# Altium PCB GSM_v2.PcbDoc (part 2 of 2)
Units mil, origin at the board's own origin, x right, y up, seen from the top; angles counter-clockwise.
Board outline 2789.37 x 2768.7 mil, 4 copper layers (Top Layer, Layer 1, Layer 2, Bottom Layer), stack 61.771 mil thick; 227 components, 127 nets, 668 pads, 296 vias.
Unrouted connection lines stored in the file: 1.
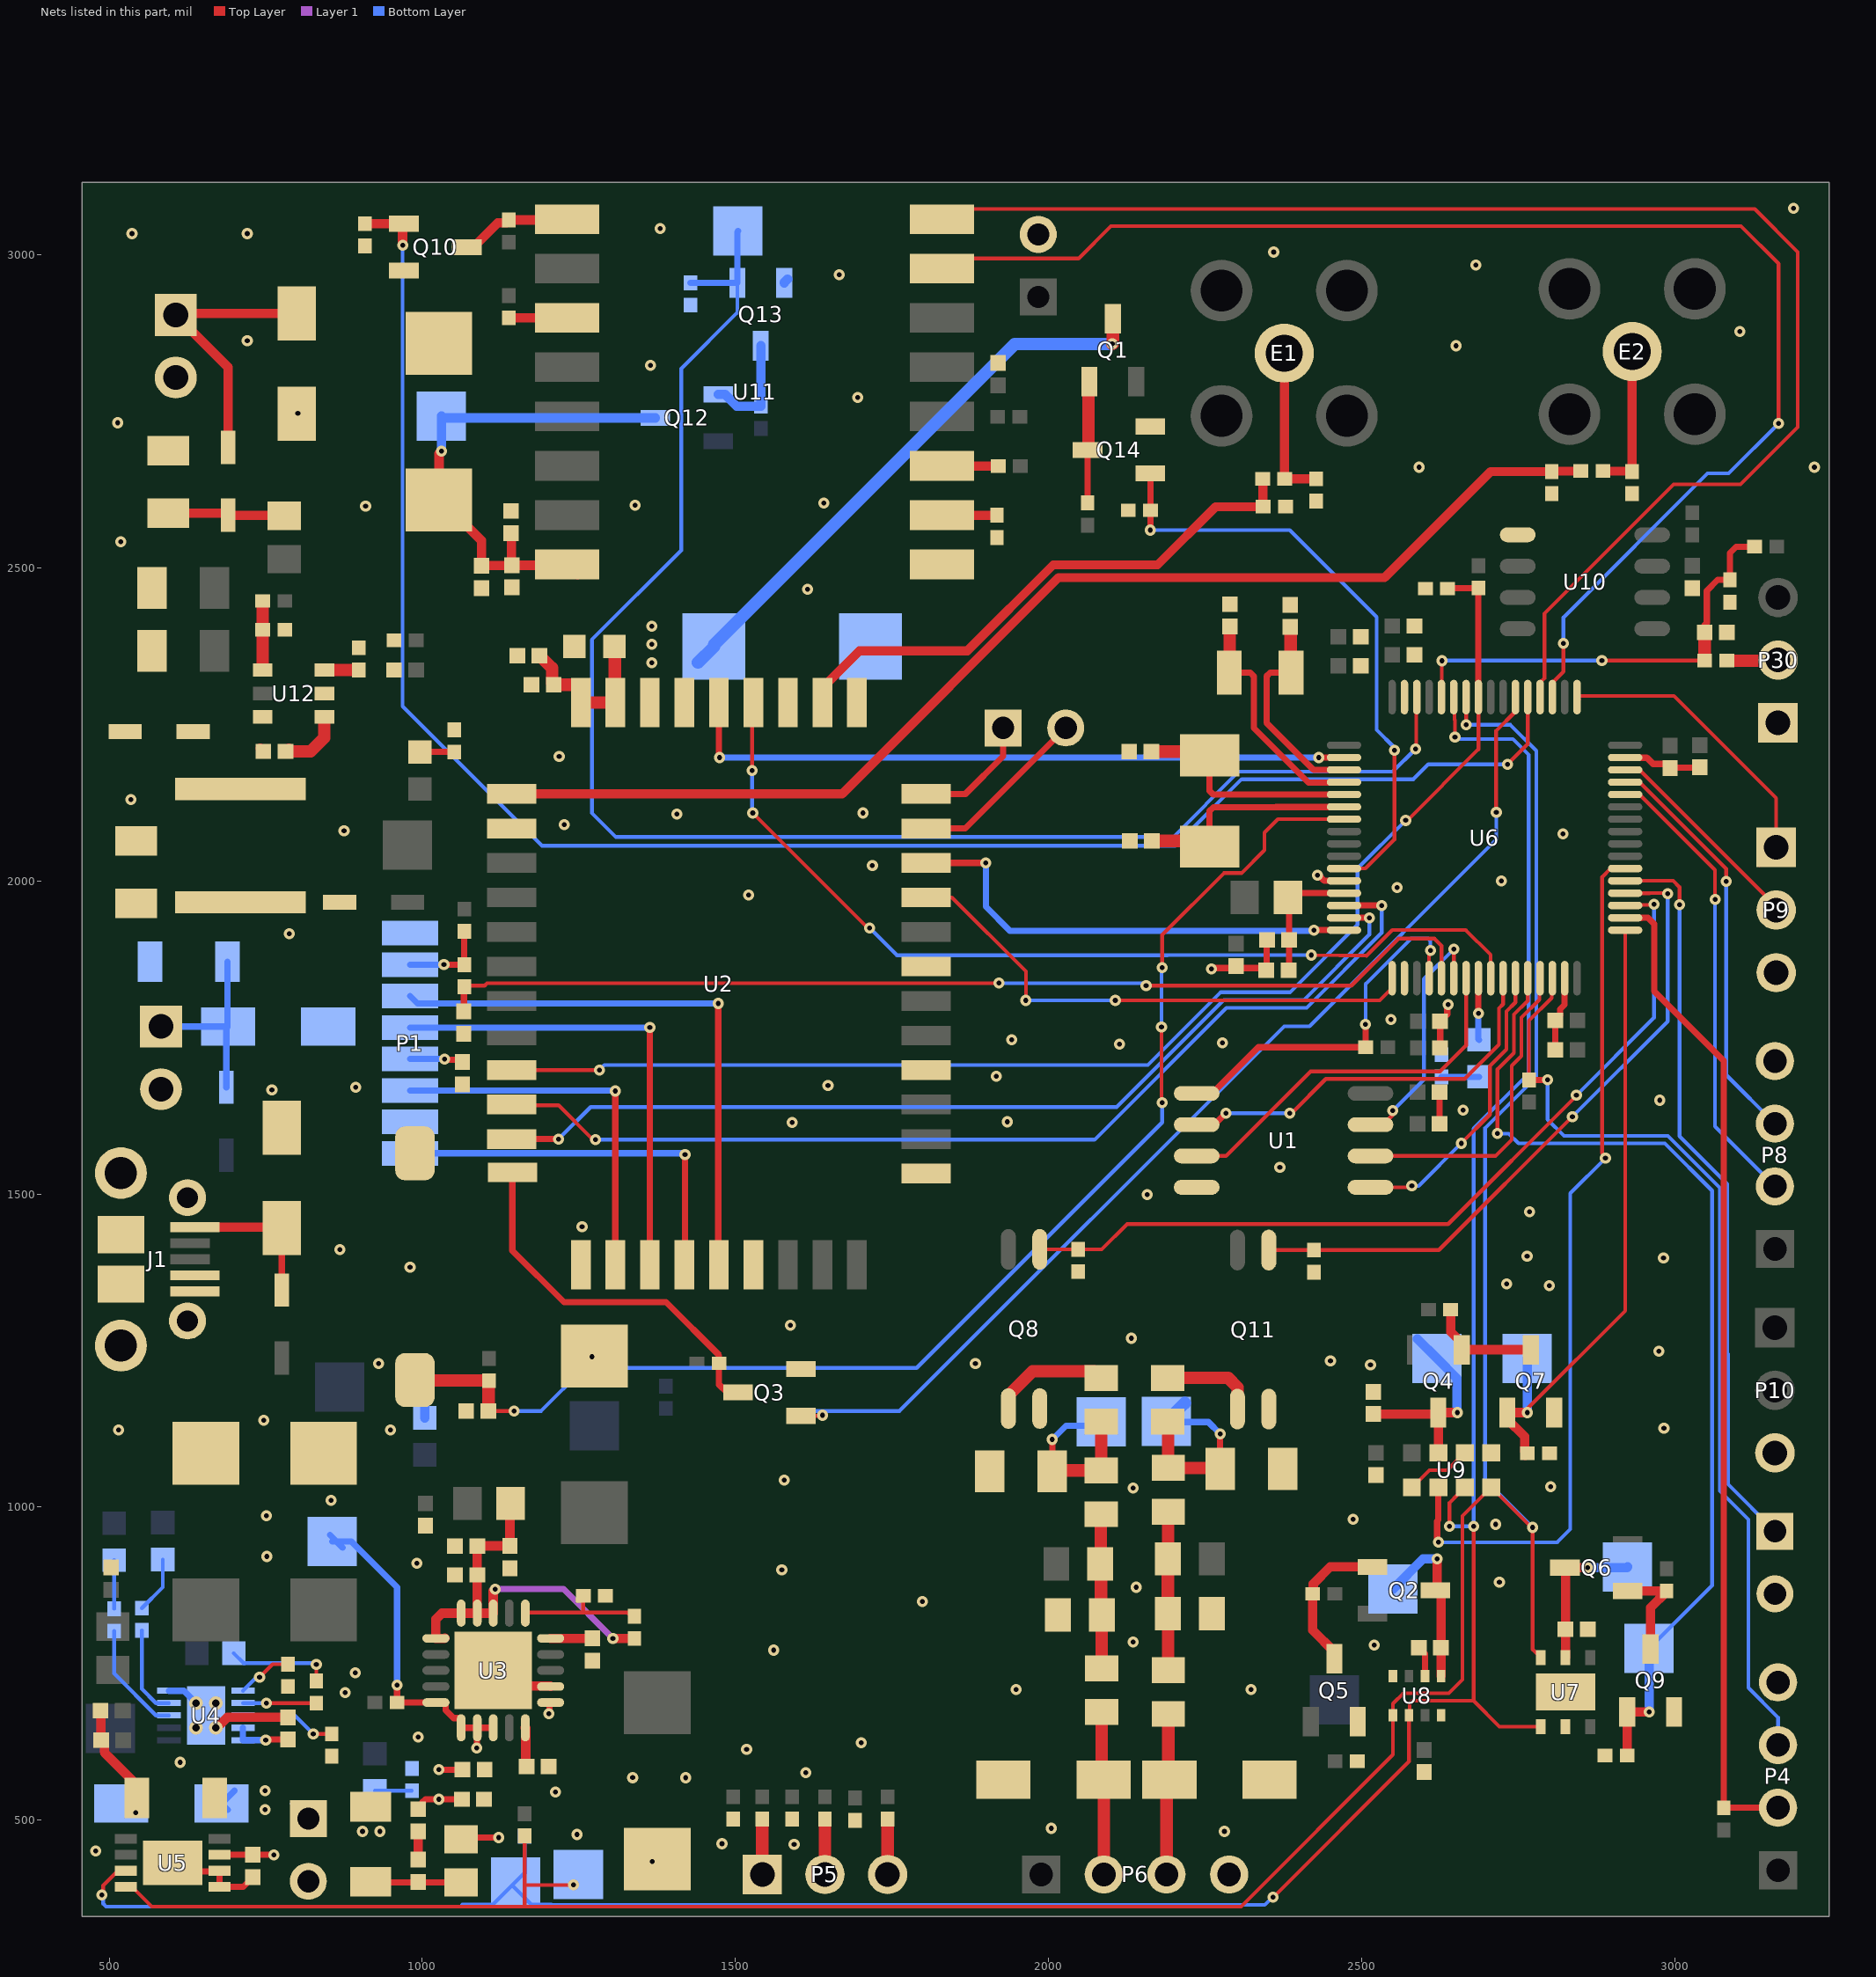
[diagram p4: the nets of this part, all layers, seen from the top]

## Via types
v1: diameter 17.72, hole 7.87, Top Layer to Bottom Layer, tented both sides, 279 vias
v2: diameter 19.68, hole 7.87, Top Layer to Bottom Layer, 13 vias
v3: diameter 21.65, hole 11.81, Top Layer to Bottom Layer, 4 vias

## Nets (pads, with @x,y where several pads share a name; then routed paths per layer and width w, separated by ;. In a path a pad name is that pad's centre, name@x,y a point inside that pad or via, vN(x,y) a via of type N, cw(c..) or ccw(c..) an arc to the next point about the centre after c; other vN are vias at no path point) (continued)
GND: BAT1.2 C1.1 C2.1 C3.2 C4.1 C5.1 C6.2 C7.2 C8.2 C9.1 C10.2 C11.1 C12.2 C13.1 C14.2 C15.1 C16.2 C17.1 C18.1 C19.1 C20.1 C21.1 C22.1 C23.1 C24.1 C25.1 C26.1 C27.1 C28.1 C29.1 C30.2 C31.2 C34.1 C35.1 C36.1 C37.1 C38.1 C39.1 C40.1 C41.1 C42.1 C43.1 C44.1 C45.1 C46.1 C47.1 C48.1 C49.1 C50.1 C51.1 C52.1 C54.1 C55.1 C57.1 C58.1 C59.1 C60.1 C61.1 C62.1 C63.1 C64.1 C65.1 D1.1 D3.1 D9.1 D11.1 D12.1 D18.1 D20.1 J1.4 J1.5 J1.6 J1.7 J1.8 J1.9 J1.10 J1.11 P1.2 P1.8 P2.2 P3.2 P4.4 P7.2 P8.4 P9.3 P10.3 P14.2 P30.1 Q3.2 Q5.2 Q7.2 Q9.2 Q10.2 Q13.2 Q14.2 R3.2 R5.2 R7.1 R8.1 R9.1 R12.1 R18.1 R24.1 R25.1 R30.1 R31.1 R36.1 R42.1 R43.1 R47.1 R48.1 R55.1 R58.1 R61.1 R62.1 R65.1 R66.1 R67.1 R68.1 R69.1 R70.1 R72.1 S1.1 U1.4 U2.2 U2.13 U2.18 U2.22 U2.25 U2.28 U2.34 U2.36 U2.39 U2.40 U3.12 U3.21 U4.5 U4.11 U5.1 U5.2 U5.9 U6.12 U6.18 U6.31 U6.47 U6.63 U7.2 U7.7 U8.1 U8.5 U8.7 U9.1 U10.5 U11.9 U12.2 | length 1232.9
  Top Layer w10: v1(542.32,511.81) D3.1@542.32,545.28 ; U5.9@641.73,418.31 675.2,418.31 U5.2@676.18,419.29 U5.1@676.18,393.7 713.98,393.7 729.33,409.06 C27.1@729.33,409.45 C27.1@736.22,402.56 ; U2.36@1583.66,2284.45 U2.36@1583.66,2308.07 ; v1(2259.84,1859.25) 2261.32,1860.73 2295.77,1860.73 C4.1@2299.21,1864.17 2302.66,1860.73 2344,1860.73 C6.2@2347.44,1857.28 2348.01,1857.85 2348.01,1904.94 C5.1@2348.58,1905.51 ; v1@2427.66,2010.33 v1(2429.13,2008.86) 2431.22,2008.86 2439.73,2000.35 2471.11,2000.35 U6.12@2471.46,2000 ; C35.1@2590.92,775.59 2591.31,775.59 2600.76,766.14 U8.7@2600.76,730.31 ; C1.1@2624.02,1612.2 C2.1@2624.02,1662.4 ; C11.1@2625,1733.27 C12.2@2625,1775.59 2625.39,1775.59 2632.6,1782.8 2632.6,1783.19 2636.32,1786.91 2636.32,1800.69 v1(2637.8,1802.17) ; C16.2@2808.78,1730.12 C15.1@2808.78,1777.36 2809.17,1777.36 2816.38,1784.57 2816.38,1794.9 2823.47,1802 2823.47,1844.14 U6.31@2823.82,1844.49 ; U6.47@2920.28,2196.85 2920.62,2196.5 2955.07,2196.5 2964.92,2186.65 2985.59,2186.65 C10.2@2992.13,2180.12 2992.62,2180.61 3038.88,2180.61 C9.1@3039.37,2181.1
  Top Layer w15: C29.1@486.22,675.2 486.71,674.7 486.71,628.45 C18.1@487.2,627.95 487.6,627.95 492.3,623.25 492.3,608.09 542.32,558.07 D3.1@542.32,545.28 ; v3(670.28,647.64) 672.08,647.64 688.81,664.37 C19.1@785.43,664.37 ; D20.1@799.21,2745.79 799.8,2746.38 v1(801.18,2746.38) ; C22.1@993.11,437.01 C23.1@993.11,482.28 ; U3.21@1167.85,717.52 1171.18,714.19 1204.11,714.19 U3.12@1204.72,713.58 ; v1(1270.59,1240.12) 1271.61,1241.14 C25.1@1274.61,1241.14 ; v1(1367.13,434.06) 1371.06,437.99 C24.1@1375,437.99
  Bottom Layer w10: U4.5@595.47,706.69 595.55,706.61 619.17,706.61 v3(638.78,687.01)
  Bottom Layer w15: Q13.2@1577.76,2954.72 1577.76,2955.33 Q13.2@1583.05,2960.63
  other v1: 478.35,450.79 1593.5,461.61 1478.35,462.6 1247.05,477.36 1212.68,545.35 1335.71,567.99 1420.28,567.91 1612.2,575.79 613.19,592.52 1517.72,613.19 1700.79,624.02 993.11,632.87 876.97,703.74 892.72,735.24 1561.02,771.65 2519.69,779.53 1798.23,849.41 2719.49,879.92 1573.82,899.61 991.14,910.43 751.97,921.26 2713.58,972.44 2486.22,980.31 750.98,986.22 854.33,1010.83 2801.18,1032.48 1577.76,1043.31 514.76,1123.03 948.82,1123.03 2982.28,1125.98 747.05,1138.78 2513.78,1227.36 930.12,1229.33 2449.8,1233.27 2974.41,1249.02 1587.6,1290.35 2799.21,1353.35 2731.3,1356.3 980.32,1382.87 2981.58,1397.92 2763.78,1400.59 868.11,1411.42 1254.98,1447.79 2767.72,1471.46 2157.48,1499.02 2369.09,1542.32 1590.55,1614.17 1934.06,1615.16 2661.55,1633.99 2975.39,1649.61 759.84,1666.34 893.7,1670.28 1647.64,1673.23 1916.34,1687.99 2113.19,1739.17 2277.56,1741.14 1940.94,1746.06 2546.39,1778.68 787.4,1915.35 1520.67,1977.36 2556.1,1989.17 2722.44,2000 1718.5,2024.61 2820.87,2074.8 875,2079.72 1226.38,2089.57 1406.5,2106.3 1703.74,2108.27 534.45,2129.92 1218.5,2198.82 1615.16,2465.55 518.7,2541.34 909.45,2598.43 1339.57,2599.41 1640.86,2603.23 2591.54,2660.43 3222.44,2660.43 513.78,2731.3 1694.88,2771.65 1364.17,2822.83 2650.59,2854.33 720.47,2862.2 3103.35,2876.97 1665.35,2967.52 2682.09,2983.27 2359.25,3003.94 536.42,3033.46 720.47,3033.46 1379.92,3041.34 3188.98,3073.82
  other v3: 638.78,647.64 670.28,687.01
GND24: C32.1 C33.1 D15.1 D16.1 P6.4 Q8.2 Q11.2 R17.1 R29.1
  other v1: 2280.51,482.28 2003.94,487.2 1947.83,708.66 2322.83,708.66 2134.84,784.45 2139.76,872.05 2134.84,1030.51 1882.87,1229.33 2131.89,1269.68
GPS_TX: U2.37 U6.25 | length 1518.8
  Top Layer w6: v1(1526.57,2176.18) U2.37@1526.57,2282.48 ; v1(1527.56,2108.27) 1711.04,1924.79 v1(1713.99,1924.79) ; v1(2419.46,1881.44) 2507.43,1880.46 2548.59,1921.62 2665.65,1921.62 2705.36,1881.91 U6.25@2705.36,1844.83
  Top Layer w10: U2.37@1526.57,2282.48 U2.37@1528.54,2284.45 ; U6.25@2705.36,1844.83 U6.25@2705.71,1844.49
  Bottom Layer w6: v1(1526.57,2176.18) 1526.57,2109.25 v1(1527.56,2108.27) ; v1(1713.99,1924.79) 1757.7,1881.08 2189.33,1881.08 ; 2190.93,1881.44 v1(2419.46,1881.44)
GSM_CTS: U2.10 U6.14 | length 1652.8
  Top Layer w6: U2.10@1143.7,1641.73 1217.52,1641.73 v1@1272.64,1586.61
  Top Layer w10: U2.10@1142.72,1642.72 U2.10@1143.7,1641.73 ; v1@1272.64,1586.61 v1(1276.57,1586.61) ; U6.14@2471.46,1960.63 2471.63,1960.8 2531.32,1960.8 v1(2531.5,1960.63)
  Bottom Layer w6: v1(1276.57,1586.61) 2073.07,1586.61 2283.7,1797.24 2411.93,1797.24 2531.5,1916.82 v1(2531.5,1960.63)
GSM_EN: Q14.1 R58.2 U6.11 | length 976
  Top Layer w6: U6.11@2471.46,2019.68 2505.7,2019.68 2552.02,2066 v1(2552.02,2208.52)
  Top Layer w10: v1(2162.4,2560.04) R58.2@2162.4,2591.54 Q14.1@2162.4,2650.59
  Bottom Layer w6: v1(2162.4,2560.04) 2384.84,2560.04 2523.62,2421.26 2523.62,2241.14 2552.02,2212.74 v1(2552.02,2208.52)
GSM_LP: R23.1 R30.2 U2.9 U6.57 | length 2114.5
  Top Layer w6: U2.9@1142.72,1697.83 v1(1282.48,1697.83) ; v1(2569.88,2096.46) 2572.5,2096.46 2686.02,2209.98 U6.57@2686.02,2293.31
  Top Layer w10: R30.2@2637.3,2467.03 2685.53,2467.03 R23.1@2686.02,2467.52 U6.57@2686.02,2293.31
  Bottom Layer w6: v1(1282.48,1697.83) 1290.5,1705.85 2158.37,1705.85 2274.42,1821.9 2385.18,1821.9 2493.11,1929.84 2493.11,2019.68 v1(2569.88,2096.46)
GSM_RESET: Q3.1 U6.54 | length 1765.1
  Top Layer w6: Q3.1@1604.33,1145.67 1637.8,1145.67 v1(1638.78,1146.65) ; v1(2714.57,2109.25) 2714.43,2109.39 2714.43,2239.61 2745.08,2270.26 U6.54@2745.08,2293.31
  Bottom Layer w6: 1602.36,1153.54 1761.81,1153.54 2375.98,1767.72 2416.34,1767.72 2714.57,2065.94 v1(2714.57,2109.25)
GSM_RTS: U2.11 U6.15 | length 1571.5
  Top Layer w10: U2.11@1142.72,1587.6 v1(1217.52,1587.6) ; U6.15@2471.46,1940.94 v1(2511.81,1940.94)
  Bottom Layer w6: v1(1217.52,1587.6) 1268.7,1638.78 2108.27,1638.78 2279.39,1809.9 2407.62,1809.9 2511.81,1914.1 v1(2511.81,1940.94)
GSM_RX: U2.31 U6.16 | length 753.6
  Top Layer w10: U2.31@1804.13,2028.54 v1(1899.61,2028.54) ; v1(2423.23,1921.26) U6.16@2471.46,1921.26
  Bottom Layer w10: v1(1899.61,2028.54) 1899.61,1958.66 1938.07,1920.2 2422.17,1920.2 v1(2423.23,1921.26)
GSM_TX: U2.30 U6.17 | length 863.2
  Top Layer w6: U2.30@1804.13,1973.43 1845.47,1973.43 1963.58,1855.32 v1(1963.58,1809.06) ; v1(2106.3,1809.06) 2528.61,1809.06 U6.17@2548.23,1828.67
  Top Layer w10: U6.17@2548.23,1828.67 U6.17@2548.23,1844.49
  Bottom Layer w6: v1(1963.58,1809.06) v1(2106.3,1809.06)
GSM_UPDATE_RX: P11.2 U2.32 | length 277.7
  Top Layer w10: U2.32@1815.94,2083.66 1866.73,2083.66 P11.2@2027.17,2244.09
GSM_UPDATE_TX: P11.1 U2.33 | length 193.2
  Top Layer w10: U2.33@1804.13,2138.78 1867.13,2138.78 1927.17,2198.82 P11.1@1927.17,2244.09
I2C1_SCL: P13.1 R50.1 U5.8 U6.58 U7.6 U8.4 U9.8 | length 4647.2
  Top Layer w6: U5.8@526.57,393.7 536.42,393.7 567.91,362.2 1163.15,362.2 ; R50.1@1163.15,475.01 1163.15,395.67 ; v1(1241.14,396.65) 1164.13,396.65 1163.15,395.67 ; v1(2666.34,2249.02) U6.58@2666.34,2293.31 ; U7.6@2785.72,759.73 2772.64,772.81 v1(2772.64,967.52) 2770.67,967.52 2717.96,1020.22 2717.96,1020.72 2707.19,1031.5 U9.8@2706.69,1031.5 2706.2,1031.5 2660.48,985.78 2660.48,724.46 2638.78,702.76 2566.17,702.76 2549.58,686.17 U8.4@2549.58,667.32 2549.58,604.7 2307.09,362.2 1163.15,362.2 ; 1163.15,362.2 1163.15,395.67
  Bottom Layer w6: v1(2666.34,2249.02) 2737.2,2249.02 2778.4,2207.82 2778.4,1686.87 2696.85,1605.32 2696.85,1043.31 v1(2772.64,967.52)
I2C1_SDA: P12.1 R49.1 U5.7 U6.59 U7.1 U8.3 U9.7 | length 4543.7
  Top Layer w6: v1(488.19,380.91) 490.43,383.15 490.43,395.88 513.85,419.29 U5.7@526.57,419.29 ; v1(2358.27,376.97) 2575.17,593.87 U8.3@2575.17,667.32 2576.12,668.27 2576.12,686.17 2580.71,690.76 2678.34,690.76 ; v1(2639.95,969.3) 2639.95,1007.08 2653.1,1020.22 2653.1,1020.72 2662.89,1030.51 U9.7@2663.39,1030.51 ; U6.59@2646.65,2293.31 2647.77,2292.2 2647.77,2257.13 2648.48,2256.41 2648.48,2241.62 2648.62,2241.48 v1(2648.62,2229.33) ; v1(2678.34,969.3) 2678.34,690.76 ; U7.1@2785.72,649.49 2719.6,649.49 2678.34,690.76
  Bottom Layer w6: v1(488.19,380.91) 490.43,378.66 490.43,366.85 495.08,362.2 1061.02,362.2 1064.02,365.2 1112.25,365.2 P12.1@1143.21,396.16 ; R49.1@1163.39,474.41 1163.39,416.34 P12.1@1148.62,401.57 P12.1@1143.21,396.16 ; v1(2358.27,376.97) 2356.92,376.97 2344.97,365.02 1205.92,365.02 1205.73,365.2 1174.17,365.2 P12.1@1143.21,396.16 ; v1(2639.95,969.3) v1(2678.34,969.3) 2678.34,1604.52 2766.4,1692.58 2766.4,2201.12 2741.14,2226.38 2651.57,2226.38 v1(2648.62,2229.33)
I2C2_SCL: P4.2 R28.1 U6.34 | length 1626.9
  Top Layer w10: U6.34@2946.5,1940.6 2920.62,1940.6 U6.34@2920.28,1940.94 2956.69,1940.94 2966.54,1931.1 2966.54,1823.82 3077.76,1712.6 R28.1@3077.76,519.69 3077.95,519.88 3164.17,519.88 P4.2@3164.37,520.08 P4.2@3168.59,524.3
I2C2_SDA: P4.3 R27.1 U6.30 | length 1519.1
  Top Layer w6: R27.1@2766.73,1682.09 2766.73,1776.57 2803.02,1812.86 2803.02,1843.38 U6.30@2804.13,1844.49
  Top Layer w10: R27.1@2766.73,1682.09 v1(2796.26,1682.09)
  Bottom Layer w6: v1(2796.26,1682.09) 2796.26,1619.09 2822.65,1592.71 2988.61,1592.71 3071.47,1509.84 3071.47,1025.97 3117.13,980.32 3117.13,711.44 3164.37,664.2 P4.3@3164.37,620.08
NetC5_2: C5.2 C6.1 L1.2 U6.13 | length 209.4
  Top Layer w10: C6.1@2384.02,1857.28 C5.2@2384.02,1905.51 2384.02,1971.3 L1.2@2381.89,1973.43 2388.78,1980.31 U6.13@2471.46,1980.31
NetC20_2: C20.2 C21.2 C45.2 C46.2 Q1.3 U2.41 U2.42 | length 1184.6
  Top Layer w20: C45.2@1187.01,2359.25 1187.4,2359.25 1207.05,2339.61 1207.05,2315.2 1209.25,2312.99 C46.2@1209.65,2312.99 1247.2,2312.99 1252.95,2307.24 U2.42@1252.95,2284.45 U2.41@1308.07,2284.45 1307.34,2285.18 1307.34,2373.28 C21.2@1306.61,2374.02 ; v1(2101.38,2857.28) 2102.36,2858.27 Q1.3@2102.36,2897.64
  Bottom Layer w20: C20.2@1439.96,2348.43 C20.2@1465.55,2374.02 1465.55,2376.97 1945.87,2857.28 v1(2101.38,2857.28)
  other v1: 1366.14,2348.43 1366.14,2377.46 1366.14,2406.5
NetC22_2: C22.2 F1.2 L3.1 | length 145.1
  Top Layer w10: F1.2@917.32,401.61 918.35,400.59 L3.1@1062.01,400.59
NetC32_2: C32.2 P23.1 R15.2 R16.1 | length 316.1
  Top Layer w10: C32.2@2005.71,1057.09 v1(2005.71,1108.07)
  Top Layer w20: C32.2@1992.09,1041.5 2005.71,1055.12 C32.2@2005.81,1055.02 ; C32.2@2005.71,1057.09 2007.24,1058.62 2083.46,1058.62 2083.66,1058.82 R16.1@2083.66,1136.26
  Bottom Layer w10: v1(2005.71,1108.07) 2027.56,1129.92 2077.32,1129.92 P23.1@2083.66,1136.26
NetC33_2: C33.2 P24.1 R21.2 R26.1 | length 345.9
  Top Layer w10: v1(2273.62,1117.13) 2273.62,1061.22 C33.2@2273.82,1061.02 C33.2@2273.82,1051.18
  Top Layer w20: R26.1@2189.96,1136.26 2190.45,1135.77 2190.45,1063.05 R21.2@2190.94,1062.56 2272.28,1062.56 C33.2@2273.62,1061.22
  Bottom Layer w10: P24.1@2187.99,1136.81 2188.98,1135.83 2254.92,1135.83 v1(2273.62,1117.13)
  Bottom Layer w20: P24.1@2197.05,1145.87 P24.1@2217.36,1166.18
NetC34_2: C34.2 P22.1 Q6.3 U7.5 | length 243.7
  Top Layer w15: Q6.3@2823.79,903.12 Q6.3@2824.1,903.43 v1(2860.35,903.43) ; U7.5@2825.09,759.73 C34.2@2825.09,805.01 Q6.3@2825.09,902.45
  Bottom Layer w15: v1(2860.35,903.43) 2923.12,903.43 P22.1@2924.21,904.53
NetC35_2: C35.2 P20.1 Q2.3 U8.8 | length 280.1
  Top Layer w15: v1(2620.08,917.32) 2620.08,868.11 2626.35,861.83 C35.2@2626.35,775.59 U8.8@2626.35,730.31
  Bottom Layer w15: P20.1@2549.58,869.09 2597.81,917.32 v1(2620.08,917.32)
NetC38_2: C38.2 P21.1 Q4.3 U9.3 | length 342.3
  Top Layer w15: C38.2@2518.03,1148.69 Q4.3@2619.86,1148.69 ; U9.3@2622.05,1086.61 2622.05,1146.5 Q4.3@2619.86,1148.69 ; v1(2652.28,1150.87) Q4.3@2622.05,1150.87 Q4.3@2619.86,1148.69
  Bottom Layer w15: P21.1@2588.58,1268.7 P21.1@2620.08,1237.2 2651.95,1205.33 2651.95,1151.2 v1(2652.28,1150.87)
NetC42_2: C42.2 C43.2 C49.2 C61.2 P25.1 Q12.3 U11.8 | length 825.5
  Top Layer w15: v1(1030.51,2686.02) 1026.57,2682.09 C61.2@1026.57,2608.27 1029.53,2608.27 1094.55,2543.25 C43.2@1094.55,2502.91 1095.04,2503.4 1142.28,2503.4 C42.2@1142.78,2503.89 ; C49.2@1141.79,2555.07 1142.28,2554.58 1142.28,2504.38 C42.2@1142.78,2503.89 ; U11.8@1247.42,2488.98 U11.8@1231.3,2505.1 1230.09,2503.89 C42.2@1142.78,2503.89
  Bottom Layer w15: v1(1030.51,2686.02) P25.1@1030.51,2742.13 1033.46,2739.17 Q12.3@1372.05,2739.17
NetC44_2: C44.2 P1.4 | length 88.5
  Top Layer w10: v1(1035.43,1715.55) 1036.91,1714.07 1060.53,1714.07 C44.2@1063.98,1710.63 ; C44.2@1062.99,1712.6 C44.2@1064.96,1710.63
  Bottom Layer w10: P1.4@980.31,1715.55 v1(1035.43,1715.55)
NetC51_2: C51.2 C52.2 C59.2 L6.1 R64.2 U3.1 U3.18 U3.19 U3.20 | length 683.5
  Top Layer w15: U3.1@1035.81,790.96 1035.2,790.35 U3.1@1021.65,790.35 1021.65,820.96 1031.4,830.71 U3.20@1062.01,830.71 U3.19@1087.6,830.71 ; v1(1116.14,869.09) 1113.19,866.14 U3.18@1113.19,830.71 U3.19@1087.6,830.71 ; L6.1@1154.53,992.13 L6.1@1140.75,1005.91 1139.76,1004.92 C59.2@1139.76,937.99 C52.2@1087.6,937.99 C51.2@1087.6,891.73 U3.19@1087.6,830.71 ; v1(1304.13,790.35) R64.2@1338.58,790.35
  Layer 1 w10: 1087.6,891.73 1088.58,891.73 ; v1(1116.14,869.09) 1225.39,869.09 v1(1304.13,790.35)
NetC53_1: C53.1 U12.1 | length 111.8
  Top Layer w15: C53.1@781.5,2206.69 786.2,2211.4 786.59,2211.4 C53.1@786.59,2211.79
  Top Layer w20: C53.1@781.5,2206.69 821.71,2206.69 843.5,2228.48 U12.1@843.5,2261.81
NetC53_2: C53.2 D18.2 L4.1 U12.6 | length 7.4
  Top Layer w15: C53.2@740.96,2211.79 740.96,2211.4 745.67,2206.69 C53.2@746.06,2206.69
NetC54_2: C54.2 D17.1 L4.2
NetC56_1: C56.1 R60.1 R62.2 U12.3 | length 55.1
  Top Layer w20: U12.3@843.5,2336.61 R62.2@898.62,2336.61
NetC57_2: C57.2 D19.2 L5.1 | length 186.8
  Top Layer w15: C57.2@594.49,2586.81 686.81,2586.81 D19.2@689.96,2583.66 778.54,2583.66 L5.1@779.53,2582.68
NetC62_2: C62.2 U3.10 | length 62.8
  Top Layer w15: U3.10@1164.37,647.64 1164.98,647.03 1164.98,586.99 C62.2@1166.34,585.63
NetC63_2: C63.2 U3.15 | length 66.9
  Top Layer w15: U3.15@1204.72,790.35 C63.2@1271.65,790.35
NetD2_2: D2.2 R1.2 | length 77.8
  Bottom Layer w6: R1.2@507.87,837.6 D2.2@507.87,915.35
NetD4_2: D4.2 R2.2 | length 91.6
  Bottom Layer w6: R2.2@552.17,838.58 585.63,872.05 D4.2@585.63,916.34
NetD5_2: D5.2 R4.2 | length 165.8
  Top Layer w6: R4.2@830.71,722.44 v1(830.71,749.02)
  Bottom Layer w6: D5.2@698.82,766.73 714.52,751.03 828.69,751.03 v1(830.71,749.02)
NetD6_2: D6.2 R7.2 | length 59.1
  Bottom Layer w6: D6.2@924.21,547.24 R7.2@983.27,547.24
NetD7_2: D7.2 R8.2 | length 53.1
  Bottom Layer w15: D7.2@1003.94,1142.52 R8.2@1003.94,1190.94 R8.2@1007.26,1187.62
NetD8_1: D8.1 D9.2 J1.1 | length 238.4
  Top Layer w10: D9.2@774.33,1446.85 D9.2@775.59,1445.59 D8.1@775.59,1346.46
  Top Layer w15: J1.1@636.81,1446.85 D9.2@774.33,1446.85
NetD10_1: D10.1 D11.2 D12.2 P3.1 | length 307.9
  Bottom Layer w10: P3.1@582.68,1767.32 D12.2@688.98,1767.32 ; D10.1@687.01,1670.28 687.01,1764.65 688.98,1766.61 D12.2@688.98,1767.32 ; D11.2@688.98,1871.06 D12.2@688.98,1767.32
NetD13_2: D13.2 R9.2 | length 55.1
  Top Layer w10: D13.2@996.06,2205.71 R9.2@1051.18,2205.71
NetD14_2: D14.2 R12.2 | length 60
  Bottom Layer w10: R12.2@2626.97,1687.01 D14.2@2687.01,1687.01
NetD19_1: D19.1 D20.2 P2.1 | length 440.1
  Top Layer w15: D19.1@689.96,2691.93 689.96,2819.88 P2.1@606.3,2903.54 608.54,2905.79 D20.2@799.21,2905.79
NetE1_1: E1.1 R22.2 R25.2 | length 251.4
  Top Layer w14.26: E1.1@2375.98,2842.52 2376.48,2842.03 2376.48,2642.22 R22.2@2376.97,2641.73 R25.2@2427.17,2641.73
NetE2_1: E2.1 R46.2 R47.2 | length 241.3
  Top Layer w10: R46.2@2884.84,2654.53 R46.2@2885.33,2654.04 ; R47.2@2929.82,2654.82 2930.61,2654.04 R47.2@2931.1,2653.54 R47.2@2931.3,2653.74 ; E2.1@2931.3,2844.88 E2.1@2931.5,2845.08 E2.1@2932.78,2843.8
  Top Layer w14.26: R46.2@2885.33,2654.04 R47.2@2930.61,2654.04 ; R47.2@2931.3,2653.74 E2.1@2931.3,2844.88
NetP1_1: P1.1 U2.16 | length 616.4
  Top Layer w10: U2.16@1418.31,1386.81 1419.29,1387.8 v1(1419.29,1562.99)